# Altium PCB Test_SEAx.PcbDoc (part 1 of 2) (continued)
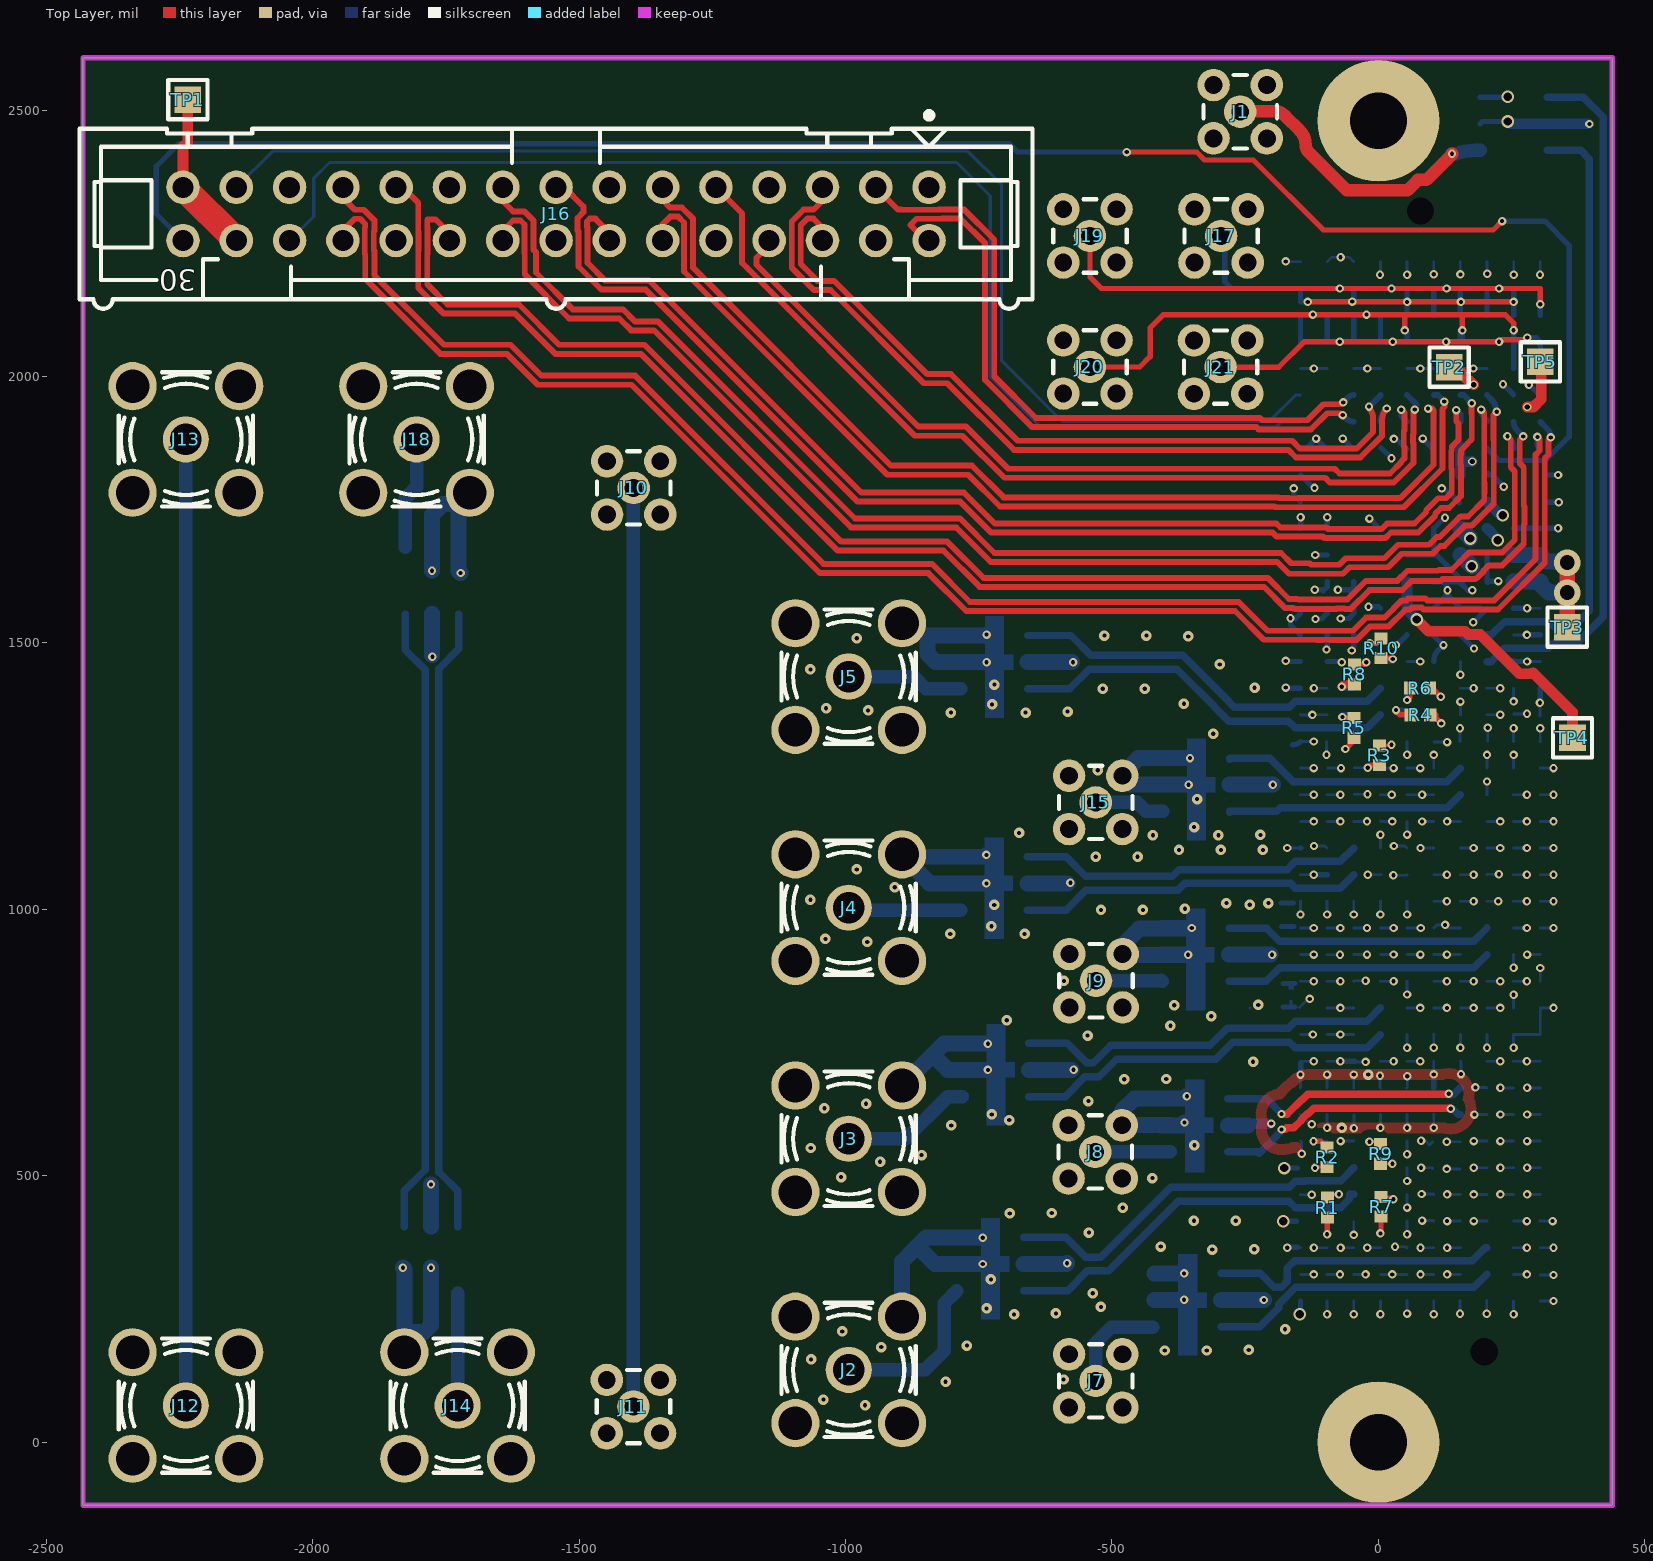
[diagram p0: Top Layer view]
## Design rules (kind name [scope] priority, off if disabled: settings) (continued)
DiffPairsRouting "Schematic Differential Pairs Routing_31" [InNet('NetTR4_5')] p16: maxlimit=12 minlimit=12 mostfreqgap=12 toplayer_minwidth=14 toplayer_maxwidth=14 toplayer_prefwidth=14 bottomlayer_minwidth=14 bottomlayer_maxwidth=14 bottomlayer_prefwidth=14 maxuncoupledlength=500
DiffPairsRouting "Schematic Differential Pairs Routing_30" [InNet('NetTR7_5')] p17: maxlimit=12 minlimit=12 mostfreqgap=12 toplayer_minwidth=14 toplayer_maxwidth=14 toplayer_prefwidth=14 bottomlayer_minwidth=14 bottomlayer_maxwidth=14 bottomlayer_prefwidth=14 maxuncoupledlength=500
DiffPairsRouting "Schematic Differential Pairs Routing_29" [InNet('NetTR8_5')] p18: maxlimit=12 minlimit=12 mostfreqgap=12 toplayer_minwidth=14 toplayer_maxwidth=14 toplayer_prefwidth=14 bottomlayer_minwidth=14 bottomlayer_maxwidth=14 bottomlayer_prefwidth=14 maxuncoupledlength=500
DiffPairsRouting "Schematic Differential Pairs Routing_28" [InNet('NetTR11_5')] p19: maxlimit=12 minlimit=12 mostfreqgap=12 toplayer_minwidth=14 toplayer_maxwidth=14 toplayer_prefwidth=14 bottomlayer_minwidth=14 bottomlayer_maxwidth=14 bottomlayer_prefwidth=14 maxuncoupledlength=500
DiffPairsRouting "Schematic Differential Pairs Routing_27" [InNet('NetTR6_5')] p20: maxlimit=12 minlimit=12 mostfreqgap=12 toplayer_minwidth=14 toplayer_maxwidth=14 toplayer_prefwidth=14 bottomlayer_minwidth=14 bottomlayer_maxwidth=14 bottomlayer_prefwidth=14 maxuncoupledlength=500
DiffPairsRouting "Schematic Differential Pairs Routing_26" [InNet('DAC1_OUT_P')] p21: maxlimit=12 minlimit=12 mostfreqgap=12 toplayer_minwidth=14 toplayer_maxwidth=14 toplayer_prefwidth=14 bottomlayer_minwidth=14 bottomlayer_maxwidth=14 bottomlayer_prefwidth=14 maxuncoupledlength=500
DiffPairsRouting "Schematic Differential Pairs Routing_25" [InNet('DAC0_OUT_P')] p22: maxlimit=12 minlimit=12 mostfreqgap=12 toplayer_minwidth=14 toplayer_maxwidth=14 toplayer_prefwidth=14 bottomlayer_minwidth=14 bottomlayer_maxwidth=14 bottomlayer_prefwidth=14 maxuncoupledlength=500
DiffPairsRouting "Schematic Differential Pairs Routing_24" [InNet('ADC1_IN_N')] p23: maxlimit=12 minlimit=12 mostfreqgap=12 toplayer_minwidth=14 toplayer_maxwidth=14 toplayer_prefwidth=14 bottomlayer_minwidth=14 bottomlayer_maxwidth=14 bottomlayer_prefwidth=14 maxuncoupledlength=500
DiffPairsRouting "Schematic Differential Pairs Routing_23" [InNet('ADC0_IN_P')] p24: maxlimit=12 minlimit=12 mostfreqgap=12 toplayer_minwidth=14 toplayer_maxwidth=14 toplayer_prefwidth=14 bottomlayer_minwidth=14 bottomlayer_maxwidth=14 bottomlayer_prefwidth=14 maxuncoupledlength=500
DiffPairsRouting "Schematic Differential Pairs Routing_22" [InNet('ADC3_IN_P')] p25: maxlimit=12 minlimit=12 mostfreqgap=12 toplayer_minwidth=14 toplayer_maxwidth=14 toplayer_prefwidth=14 bottomlayer_minwidth=14 bottomlayer_maxwidth=14 bottomlayer_prefwidth=14 maxuncoupledlength=500
DiffPairsRouting "Schematic Differential Pairs Routing_21" [InNet('ADC1_IN_P')] p26: maxlimit=12 minlimit=12 mostfreqgap=12 toplayer_minwidth=14 toplayer_maxwidth=14 toplayer_prefwidth=14 bottomlayer_minwidth=14 bottomlayer_maxwidth=14 bottomlayer_prefwidth=14 maxuncoupledlength=500
DiffPairsRouting "Schematic Differential Pairs Routing_20" [InNet('ADC2_IN_P')] p27: maxlimit=12 minlimit=12 mostfreqgap=12 toplayer_minwidth=14 toplayer_maxwidth=14 toplayer_prefwidth=14 bottomlayer_minwidth=14 bottomlayer_maxwidth=14 bottomlayer_prefwidth=14 maxuncoupledlength=500
DiffPairsRouting "Schematic Differential Pairs Routing_18" [InNet('TEST_SMA_N')] p28: maxlimit=12 minlimit=12 mostfreqgap=12 toplayer_minwidth=14 toplayer_maxwidth=14 toplayer_prefwidth=14 bottomlayer_minwidth=14 bottomlayer_maxwidth=14 bottomlayer_prefwidth=14 maxuncoupledlength=500
DiffPairsRouting "Schematic Differential Pairs Routing_17" [InNet('TEST_SMA_P')] p29: maxlimit=12 minlimit=12 mostfreqgap=12 toplayer_minwidth=14 toplayer_maxwidth=14 toplayer_prefwidth=14 bottomlayer_minwidth=14 bottomlayer_maxwidth=14 bottomlayer_prefwidth=14 maxuncoupledlength=500
DiffPairsRouting "Schematic Differential Pairs Routing_16" [InNet('GND')] p30: maxlimit=6 minlimit=6 mostfreqgap=6 toplayer_minwidth=11 toplayer_maxwidth=11 toplayer_prefwidth=11 bottomlayer_minwidth=11 bottomlayer_maxwidth=11 bottomlayer_prefwidth=11 maxuncoupledlength=500
DiffPairsRouting "Schematic Differential Pairs Routing_15" [InNet('LVDS4_N')] p31: maxlimit=6 minlimit=6 mostfreqgap=6 toplayer_minwidth=11 toplayer_maxwidth=11 toplayer_prefwidth=11 bottomlayer_minwidth=11 bottomlayer_maxwidth=11 bottomlayer_prefwidth=11 maxuncoupledlength=500
DiffPairsRouting "Schematic Differential Pairs Routing_14" [InNet('LVDS4_P')] p32: maxlimit=6 minlimit=6 mostfreqgap=6 toplayer_minwidth=11 toplayer_maxwidth=11 toplayer_prefwidth=11 bottomlayer_minwidth=11 bottomlayer_maxwidth=11 bottomlayer_prefwidth=11 maxuncoupledlength=500
DiffPairsRouting "Schematic Differential Pairs Routing_13" [InNet('LVDS3_N')] p33: maxlimit=6 minlimit=6 mostfreqgap=6 toplayer_minwidth=11 toplayer_maxwidth=11 toplayer_prefwidth=11 bottomlayer_minwidth=11 bottomlayer_maxwidth=11 bottomlayer_prefwidth=11 maxuncoupledlength=500
DiffPairsRouting "Schematic Differential Pairs Routing_12" [InNet('LVDS3_P')] p34: maxlimit=6 minlimit=6 mostfreqgap=6 toplayer_minwidth=11 toplayer_maxwidth=11 toplayer_prefwidth=11 bottomlayer_minwidth=11 bottomlayer_maxwidth=11 bottomlayer_prefwidth=11 maxuncoupledlength=500
DiffPairsRouting "Schematic Differential Pairs Routing_11" [InNet('LVDS0_P')] p35: maxlimit=6 minlimit=6 mostfreqgap=6 toplayer_minwidth=11 toplayer_maxwidth=11 toplayer_prefwidth=11 bottomlayer_minwidth=11 bottomlayer_maxwidth=11 bottomlayer_prefwidth=11 maxuncoupledlength=500
DiffPairsRouting "Schematic Differential Pairs Routing_10" [InNet('LVDS2_P')] p36: maxlimit=6 minlimit=6 mostfreqgap=6 toplayer_minwidth=11 toplayer_maxwidth=11 toplayer_prefwidth=11 bottomlayer_minwidth=11 bottomlayer_maxwidth=11 bottomlayer_prefwidth=11 maxuncoupledlength=500
DiffPairsRouting "Schematic Differential Pairs Routing_9" [InNet('LVDS6_N')] p37: maxlimit=6 minlimit=6 mostfreqgap=6 toplayer_minwidth=11 toplayer_maxwidth=11 toplayer_prefwidth=11 bottomlayer_minwidth=11 bottomlayer_maxwidth=11 bottomlayer_prefwidth=11 maxuncoupledlength=500
DiffPairsRouting "Schematic Differential Pairs Routing_8" [InNet('LVDS2_N')] p38: maxlimit=6 minlimit=6 mostfreqgap=6 toplayer_minwidth=11 toplayer_maxwidth=11 toplayer_prefwidth=11 bottomlayer_minwidth=11 bottomlayer_maxwidth=11 bottomlayer_prefwidth=11 maxuncoupledlength=500
DiffPairsRouting "Schematic Differential Pairs Routing_7" [InNet('LVDS1_P')] p39: maxlimit=6 minlimit=6 mostfreqgap=6 toplayer_minwidth=11 toplayer_maxwidth=11 toplayer_prefwidth=11 bottomlayer_minwidth=11 bottomlayer_maxwidth=11 bottomlayer_prefwidth=11 maxuncoupledlength=500
DiffPairsRouting "Schematic Differential Pairs Routing_6" [InNet('LVDS7_P')] p40: maxlimit=6 minlimit=6 mostfreqgap=6 toplayer_minwidth=11 toplayer_maxwidth=11 toplayer_prefwidth=11 bottomlayer_minwidth=11 bottomlayer_maxwidth=11 bottomlayer_prefwidth=11 maxuncoupledlength=500
DiffPairsRouting "Schematic Differential Pairs Routing_5" [InNet('LVDS5_P')] p41: maxlimit=6 minlimit=6 mostfreqgap=6 toplayer_minwidth=11 toplayer_maxwidth=11 toplayer_prefwidth=11 bottomlayer_minwidth=11 bottomlayer_maxwidth=11 bottomlayer_prefwidth=11 maxuncoupledlength=500
DiffPairsRouting "Schematic Differential Pairs Routing_4" [InNet('LVDS1_N')] p42: maxlimit=6 minlimit=6 mostfreqgap=6 toplayer_minwidth=11 toplayer_maxwidth=11 toplayer_prefwidth=11 bottomlayer_minwidth=11 bottomlayer_maxwidth=11 bottomlayer_prefwidth=11 maxuncoupledlength=500
DiffPairsRouting "Schematic Differential Pairs Routing_3" [InNet('LVDS6_P')] p43: maxlimit=6 minlimit=6 mostfreqgap=6 toplayer_minwidth=11 toplayer_maxwidth=11 toplayer_prefwidth=11 bottomlayer_minwidth=11 bottomlayer_maxwidth=11 bottomlayer_prefwidth=11 maxuncoupledlength=500
DiffPairsRouting "Schematic Differential Pairs Routing_2" [InNet('LVDS5_N')] p44: maxlimit=6 minlimit=6 mostfreqgap=6 toplayer_minwidth=11 toplayer_maxwidth=11 toplayer_prefwidth=11 bottomlayer_minwidth=11 bottomlayer_maxwidth=11 bottomlayer_prefwidth=11 maxuncoupledlength=500
DiffPairsRouting "Schematic Differential Pairs Routing_1" [InNet('LVDS7_N')] p45: maxlimit=6 minlimit=6 mostfreqgap=6 toplayer_minwidth=11 toplayer_maxwidth=11 toplayer_prefwidth=11 bottomlayer_minwidth=11 bottomlayer_maxwidth=11 bottomlayer_prefwidth=11 maxuncoupledlength=500
DiffPairsRouting "Schematic Differential Pairs Routing" [InNet('LVDS0_N')] p46: maxlimit=6 minlimit=6 mostfreqgap=6 toplayer_minwidth=11 toplayer_maxwidth=11 toplayer_prefwidth=11 bottomlayer_minwidth=11 bottomlayer_maxwidth=11 bottomlayer_prefwidth=11 maxuncoupledlength=500
FabricationTestPointUsage TestPointUsage [All] p1: valid=0 allowmultiple=FALSE
FabricationTestpoint Testpoint [(IsPad And (OnTopLayer Or OnBottomLayer))] p1: side=3 testpointundercomponent=TRUE minsize=40 maxsize=100 preferedsize=60 minholesize=0 maxholesize=40 preferedholesize=32 testpointgrid=1 allowsidetop=TRUE allowsidebottom=TRUE usegrid=TRUE gridtolerance=0.01
Height Height_Top [OnTop] p1 off: minheight=0 maxheight=500 prefheight=350
Height Height_Bot [OnBottom] p2 off: minheight=0 maxheight=65 prefheight=52
HoleSize [All] p1: absolutevalues=TRUE maxlimit=1000 minlimit=1 maxpercent=80.000 minpercent=20.000
HoleToHoleClearance [All] p1: gap=5 allowstackedmicrovias=TRUE
Length [InNetClass('ADC0_D') or InNetClass('ADC1_D') or InNetClass('ADC1_D') or InNetClass('ADC3_D')] p1 off: maxlimit=688.98 minlimit=531.5
MatchedLengths [InNetClass('ADC0_D') or InNetClass('ADC1_D') or InNetClass('ADC1_D') or InNetClass('ADC3_D')] p1 off: tolerance=39.37 checknetsindiffpair=TRUE checkdiffpairvsdiffpair=FALSE checkxsignals=FALSE checkothers=FALSE
MaxMinImpedance "Schematic Impedance Constraint_7" [InNetClass('Z50R')] p1: minimum=49.00 maximum=51.00
MinimumSolderMaskSliver [All] p1 off: minsoldermaskwidth=1
PlaneClearance [All] p1: clearance=8
PlaneConnect Vias_Plane [IsVia] p1: planeconnectstyle=Direct reliefexpansion=20 reliefentries=4 reliefconductorwidth=10 reliefairgap=10
PlaneConnect PlaneConnect_LEMO [(InComponent('J1') OR  InComponent('J2') OR  InComponent('J3') OR  InComponent('J4') OR  InComponent('J5') )] p2: planeconnectstyle=Relief reliefexpansion=20 reliefentries=4 reliefconductorwidth=9.84 reliefairgap=10
PlaneConnect PlaneConnect_1 [All] p3: planeconnectstyle=Relief reliefexpansion=5 reliefentries=4 reliefconductorwidth=6 reliefairgap=8
PolygonConnect [All] p1: thpad.connectstyle=Relief thpad.reliefconductorwidth=6 thpad.reliefentries=4 thpad.polygonreliefangle="90 Angle" thpad.airgapwidth=6 smdpad.connectstyle=Relief smdpad.reliefconductorwidth=6 smdpad.reliefentries=4 smdpad.polygonreliefangle="90 Angle" smdpad.airgapwidth=6 via.connectstyle=Direct via.reliefconductorwidth=10 via.reliefentries=4 via.polygonreliefangle="90 Angle" via.airgapwidth=10
RoomDefinition Test_SEAx [InComponentClass('Test_SEAx')] p1: confinementstyle=ConfineIn formatcopy=TRUE lockcomponents=FALSE outline -6167.32,-2787.4 -4167.32,-2787.4 -4167.32,-1787.4 -6167.32,-1787.4
RoomDefinition U_FMC_connector [InComponentClass('U_FMC_connector')] p2 off: confinementstyle=ConfineIn formatcopy=TRUE lockcomponents=FALSE outline -1172.32,1787.6 -522.32,1787.6 -522.32,2522.6 -1172.32,2522.6
RoutingVias RoutingVias_pwr [InNetClass('HPWR')] p1: holewidth=31.5 width=50 viastyle="Through Hole" minholewidth=10 minwidth=15 maxholewidth=39.37 maxwidth=78.74
RoutingVias RoutingVias_GND [InNet('GND')] p2: holewidth=31.5 width=50 viastyle="Through Hole" minholewidth=7.87 minwidth=15.75 maxholewidth=39.37 maxwidth=78.74
RoutingVias [All] p3: holewidth=7.87 width=15.75 viastyle="Through Hole" minholewidth=7.87 minwidth=15.75 maxholewidth=39.37 maxwidth=78.74
SilkToSilkClearance [All] p1 off: silktosilkclearance=1
SilkToSolderMaskClearance SilkscreenOverComponentPads [IsPad] p1 off: minsilkscreentomaskgap=2 clearancetoexposedcopper=TRUE
SolderMaskExpansion [All] p1: expansion=0
ViasUnderSMD ViasUnderSMD_allow [InComponent('IC1A')   or InComponent('IC1B') or InComponent('IC1C') or InComponent('IC1D') or InComponent('IC16') or InComponent('IC17') or InComponent('IC24') or InComponent('IC12') or InComponent('IC2') or  InComponent('IC6')   or InComponent('IC5') or InComponent('IC1C') or InComponent('IC7')  or InComponent('IC8')  or InComponent('IC9')  or InComponent('IC12')    or InComponent('IC10')   or InComponent('IC13')   or InComponent('IC11')   or InComponent('IC4')   or InComponent('IC25')   or InComponent('IC15')    or InComponent('IC18')] p1: allowed=TRUE
ViasUnderSMD [All] p2: allowed=FALSE
Width "Schematic Width Constraint" [InNetClass('HPWR')] p1: maxlimit=100 minlimit=20 preferedwidth=30
Width Width_50R [InNetClass('Z50R')] p2: maxlimit=26.18 minlimit=22.86 preferedwidth=25.44 toplayer_maxwidth=24.31 toplayer_prefwidth=23.58 bottomlayer_minwidth=24.71 impedancedriven=TRUE minimp=49.000000 maximp=51.000000 favimp=50.000000
Width [All] p3: maxlimit=100 minlimit=5 preferedwidth=6
18 further rules are at their usual default settings.

## Classes and differential pairs
net class HPWR: N6V0A N12V0A P3V3 P6V0A P12V0A
component class Test_SEAx: C19 C20 C21 C22 J1 J2 J3 J4 J5 J7 J8 J9 J10 J11 J12 J13 J14 J15 J16 J17 J18 J19 J20 J21 TP1 TP2 TP3 TP4 TP5 TR9 TR10
net class Z50R: ADC0 ADC1 ADC2 ADC3 DAC0 DAC1 DAC2 DAC3 NetJ1_1 NetJ10_1 NetJ12_1 NetJ14_1 NetJ18_1
component class U_FMC_connector: B1 B4 C1 C2 C3 C4 C5 C6 C7 C8 C9 C10 C11 C12 C13 C14 C15 C16 C17 C18 J6 R1 R2 R3 R4 R5 R6 R7 R8 R9 R10 TR1 TR2 TR3 TR4 TR5 TR6 TR7 TR8 TR11
differential pair TEST_SMA: +TEST_SMA_P -TEST_SMA_N
differential pair LVDS7: +LVDS7_P -LVDS7_N
differential pair LVDS6: +LVDS6_P -LVDS6_N
differential pair LVDS5: +LVDS5_P -LVDS5_N
differential pair LVDS4: +LVDS4_P -LVDS4_N
differential pair LVDS3: +LVDS3_P -LVDS3_N
differential pair LVDS2: +LVDS2_P -LVDS2_N
differential pair LVDS1: +LVDS1_P -LVDS1_N
differential pair LVDS0: +LVDS0_P -LVDS0_N
differential pair DAC3_OUT: +DAC3_OUT_P -DAC3_OUT_N
differential pair ADC3_IN: +ADC3_IN_P -ADC3_IN_N
differential pair DAC0_OUT: +DAC0_OUT_P -DAC0_OUT_N
differential pair ADC0_IN: +ADC0_IN_P -ADC0_IN_N
differential pair LO_IN: +LO_IN_P -LO_IN_N
differential pair DAC3_OUT: +DAC2_OUT_P -DAC2_OUT_N
differential pair DAC2_OUT: +DAC1_OUT_P -DAC1_OUT_N
differential pair ADC3_IN: +ADC2_IN_P -ADC2_IN_N
differential pair ADC2_IN: +ADC1_IN_P -ADC1_IN_N

## Components (designator, comment, footprint, x,y, rotation, side; value= is the part's Value field where it differs from the comment)
B1 "Plated Hole" MTG300_600 0,0 r0 bottom
B4 "Plated Hole" MTG300_600 0,2480.31 r0 bottom
C1 "0.5pF" CAPC1005X50N -237,302 r270 bottom
C2 "0.5pF" CAPC1005X50N -237,233.64 r90 bottom
C3 "0.5pF" CAPC1005X50N -225.03,629.82 r270 bottom
C4 "0.5pF" CAPC1005X50N -225,561.82 r90 bottom
C5 "0.5pF" CAPC1005X50N -225,948.97 r270 bottom
C6 "0.5pF" CAPC1005X50N -225,880.97 r90 bottom
C7 "0.5pF" CAPC1005X50N -223,1268 r270 bottom
C8 "0.5pF" CAPC1005X50N -223,1200 r90 bottom
C9 "0.5pF" CAPC1005X50N -608,370 r270 bottom
C10 "0.5pF" CAPC1005X50N -608,302 r90 bottom
C11 "0.5pF" CAPC1005X50N -598,733 r270 bottom
C12 "0.5pF" CAPC1005X50N -598,664 r90 bottom
C13 "0.5pF" CAPC1005X50N -601,1083 r270 bottom
C14 "0.5pF" CAPC1005X50N -601,1014 r90 bottom
C15 "0.5pF" CAPC1005X50N -600.39,1499 r270 bottom
C16 "0.5pF" CAPC1005X50N -600.39,1431 r90 bottom
C17 "0.5pF" CAPC1005X50N 374,2509 r270 bottom
C18 "0.5pF" CAPC1005X50N 374,2440 r90 bottom
C19 "0.5pF" CAPC1005X50N -1810,1497 r0 bottom
C20 "0.5pF" CAPC1005X50N -1742,1497 r180 bottom
C21 "0.5pF" CAPC1005X50N -1744,462 r180 bottom
C22 "0.5pF" CAPC1005X50N -1812,462 r0 bottom
J1 "Coax_1Female_1Shield" SAMTEC_MMCX-J-P-H-ST-TH1 -259.4,2497 r0 top
J2 "SMA" TYCO_5-1814832-1 -994.09,135.9 r0 top
J3 "SMA" TYCO_5-1814832-1 -994.09,569.6 r0 top
J4 "SMA" TYCO_5-1814832-1 -994.09,1003.3 r0 top
J5 "SMA" TYCO_5-1814832-1 -994.09,1437.01 r0 top
J6 "VITA 57" SAMTEC_ASP-134486-01 78.74,1240.16 r270 bottom locked
J7 "Coax_1Female_1Shield" SAMTEC_MMCX-J-P-H-ST-TH1 -530.56,115.16 r0 top
J8 "Coax_1Female_1Shield" SAMTEC_MMCX-J-P-H-ST-TH1 -531.49,545 r0 top
J9 "Coax_1Female_1Shield" SAMTEC_MMCX-J-P-H-ST-TH1 -530,866.14 r180 top
J10 "Coax_1Female_1Shield" SAMTEC_MMCX-J-P-H-ST-TH1 -1397.64,1791 r0 top
J11 "Coax_1Female_1Shield" SAMTEC_MMCX-J-P-H-ST-TH1 -1398,67 r0 top
J12 "SMA" TYCO_5-1814832-1 -2238,69 r90 top
J13 "SMA" TYCO_5-1814832-1 -2238,1882 r90 top
J14 "SMA" TYCO_5-1814832-1 -1728,69 r90 top
J15 "Coax_1Female_1Shield" SAMTEC_MMCX-J-P-H-ST-TH1 -530.56,1200.79 r0 top
J16 "=Familly" 3M_N2530-6002RB -1543.31,2305.12 r180 top
J17 "Coax_1Female_1Shield" SAMTEC_MMCX-J-P-H-ST-TH1 -295.28,2263.78 r0 top
J18 "SMA" TYCO_5-1814832-1 -1805,1882 r90 top
J19 "Coax_1Female_1Shield" SAMTEC_MMCX-J-P-H-ST-TH1 -541.34,2263.78 r0 top
J20 "Coax_1Female_1Shield" SAMTEC_MMCX-J-P-H-ST-TH1 -541.34,2018 r0 top
J21 "Coax_1Female_1Shield" SAMTEC_MMCX-J-P-H-ST-TH1 -296.23,2017.72 r0 top
R1 "49R9" RESC1005X40N -96,440.56 r90 top
R2 "49R9" RESC1005X40N -96.26,535 r270 top
R3 "49R9" RESC1005X40N 1.97,1289.37 r90 top
R4 "49R9" RESC1005X40N 78.74,1365.16 r180 top
R5 "49R9" RESC1005X40N -46.26,1340.55 r90 top
R6 "49R9" RESC1005X40N 77.76,1415.35 r180 top
R7 "49R9" RESC1005X40N 4.92,441.93 r90 top
R8 "49R9" RESC1005X40N -45.28,1440.94 r270 top
R9 "49R9" RESC1005X40N 3.94,541.34 r270 top
R10 "49R9" RESC1005X40N 4.92,1490.16 r270 top
TP1 "Test Point" TPS127 -2234.25,2519.69 r0 top
TP2 "Test Point" TPS127 132.61,2017.72 r90 top
TP3 "Test Point" TPS127 354.33,1529.58 r90 top
TP4 "Test Point" TPS127 364.17,1322.05 r0 top
TP5 "Test Point" TPS127 303.74,2027.56 r90 top
TR1 "1:2" XFMR_MINI-CIRCUITS_DB1627 -358,267 r270 bottom
TR2 "1:2" XFMR_MINI-CIRCUITS_DB1627 -345,594.82 r270 bottom
TR3 "1:2" XFMR_MINI-CIRCUITS_DB1627 -342.87,914.97 r270 bottom
TR4 "1:2" XFMR_MINI-CIRCUITS_DB1627 -341.87,1234 r270 bottom
TR5 "1:2" XFMR_MINI-CIRCUITS_DB1627 -728.35,334.65 r270 bottom
TR6 "1:2" XFMR_MINI-CIRCUITS_DB1627 -718.5,698.82 r270 bottom
TR7 "1:2" XFMR_MINI-CIRCUITS_DB1627 -721.38,1048.84 r270 bottom
TR8 "1:2" XFMR_MINI-CIRCUITS_DB1627 -721,1464 r270 bottom
TR9 "1:2" XFMR_MINI-CIRCUITS_DB1627 -1778,342 r0 bottom
TR10 "1:2" XFMR_MINI-CIRCUITS_DB1627 -1776,1617 r180 bottom
TR11 "1:2" XFMR_MINI-CIRCUITS_DB1627 253.74,2474.41 r270 bottom

## Footprints (in the part's own frame and the unit in brackets; to place one, negate y for a bottom-side part, rotate by r counter-clockwise, add the part's x,y. Pads: shape width x height; smd on the part's side, far side on the other; paste and mask are expansions set on the pad)
3M_N2530-6002RB [mm] "30 Contacts - Straight .100\" x .100\" Low Profile Four-Wall Header"
  round 1.6 hole 1: 1(-17.78,-1.27) 2(-17.78,1.27) 3(-15.24,-1.27) 4(-15.24,1.27) 5(-12.7,-1.27) 6(-12.7,1.27) 7(-10.16,-1.27) 8(-10.16,1.27) 9(-7.62,-1.27) 10(-7.62,1.27) 11(-5.08,-1.27) 12(-5.08,1.27) 13(-2.54,-1.27) 14(-2.54,1.27) 15(0,-1.27) 16(0,1.27) 17(2.54,-1.27) 18(2.54,1.27) 19(5.08,-1.27) 20(5.08,1.27) 21(7.62,-1.27) 22(7.62,1.27) 23(10.16,-1.27) 24(10.16,1.27) 25(12.7,-1.27) 26(12.7,1.27) 27(15.24,-1.27) 28(15.24,1.27) 29(17.78,-1.27) 30(17.78,1.27)
  silkscreen extent -22.71,-4.85 22.71,4.52, body extent -22.71,-4.11 22.71,4.52, height 9.91
CAPC1005X50N [mm] "Chip Capacitor, Body 1.0x0.55mm, IPC Medium Density"
  rect 0.57x0.68 smd: 1(-0.49,0) 2(0.49,0)
  body extent -0.5,-0.27 0.5,0.28, height 0.5
MTG300_600 [mm] "Plated Through Hole: Hole Dia.=3.0mm Pad Dia.=6.0mm"
  round 5.8 / inner round 3 / far side round 5.8 hole 2.7: 1(0,0)
RESC1005X40N [mm] "Chip Resistor, EIA 0402, Metric 1005, Body 1.0x0.5mm, IPC Medium Density"
  rect 0.58x0.62 smd: 1(-0.47,0) 2(0.47,0)
  body extent -0.52,-0.27 0.53,0.28, height 0.4
SAMTEC_ASP-134486-01 [mm] "Connector VITA 57, 400 Female contacts in 10 row abcdefghj"
  round 0.5 hole 1.3 unplated mask+0.4: 1(-27.19,0) 2(27.19,-3.05)
  round 0.64 smd paste+0.125: a1(24.765,-5.715) a2(23.495,-5.715) a3(22.225,-5.715) a4(20.955,-5.715) a5(19.685,-5.715) a6(18.415,-5.715) a7(17.145,-5.715) a8(15.875,-5.715) a9(14.605,-5.715) a10(13.335,-5.715) a11(12.065,-5.715) a12(10.795,-5.715) a13(9.525,-5.715) a14(8.255,-5.715) a15(6.985,-5.715) a16(5.715,-5.715) a17(4.445,-5.715) a18(3.175,-5.715) a19(1.905,-5.715) a20(0.635,-5.715) a21(-0.635,-5.715) a22(-1.905,-5.715) a23(-3.175,-5.715) a24(-4.445,-5.715) a25(-5.715,-5.715) a26(-6.985,-5.715) a27(-8.255,-5.715) a28(-9.525,-5.715) a29(-10.795,-5.715) a30(-12.065,-5.715) a31(-13.335,-5.715) a32(-14.605,-5.715) a33(-15.875,-5.715) a34(-17.145,-5.715) a35(-18.415,-5.715) a36(-19.685,-5.715) a37(-20.955,-5.715) a38(-22.225,-5.715) a39(-23.495,-5.715) a40(-24.765,-5.715) b1(24.765,-4.445) b2(23.495,-4.445) b3(22.225,-4.445) b4(20.955,-4.445) b5(19.685,-4.445) b6(18.415,-4.445) b7(17.145,-4.445) b8(15.875,-4.445) b9(14.605,-4.445) b10(13.335,-4.445) b11(12.065,-4.445) b12(10.795,-4.445) b13(9.525,-4.445) b14(8.255,-4.445) b15(6.985,-4.445) b16(5.715,-4.445) b17(4.445,-4.445) b18(3.175,-4.445) b19(1.905,-4.445) b20(0.635,-4.445) b21(-0.635,-4.445) b22(-1.905,-4.445) b23(-3.175,-4.445) b24(-4.445,-4.445) b25(-5.715,-4.445) b26(-6.985,-4.445) b27(-8.255,-4.445) b28(-9.525,-4.445) b29(-10.795,-4.445) b30(-12.065,-4.445) b31(-13.335,-4.445) b32(-14.605,-4.445) b33(-15.875,-4.445) b34(-17.145,-4.445) b35(-18.415,-4.445) b36(-19.685,-4.445) b37(-20.955,-4.445) b38(-22.225,-4.445) b39(-23.495,-4.445) b40(-24.765,-4.445) c1(24.765,-3.175) c2(23.495,-3.175) c3(22.225,-3.175) c4(20.955,-3.175) c5(19.685,-3.175) c6(18.415,-3.175) c7(17.145,-3.175) c8(15.875,-3.175) c9(14.605,-3.175) c10(13.335,-3.175) c11(12.065,-3.175) c12(10.795,-3.175) c13(9.525,-3.175) c14(8.255,-3.175) c15(6.985,-3.175) c16(5.715,-3.175) c17(4.445,-3.175) c18(3.175,-3.175) c19(1.905,-3.175) c20(0.635,-3.175) c21(-0.635,-3.175) c22(-1.905,-3.175) c23(-3.175,-3.175) c24(-4.445,-3.175) c25(-5.715,-3.175) c26(-6.985,-3.175) c27(-8.255,-3.175) c28(-9.525,-3.175) c29(-10.795,-3.175) c30(-12.065,-3.175) c31(-13.335,-3.175) c32(-14.605,-3.175) c33(-15.875,-3.175) c34(-17.145,-3.175) c35(-18.415,-3.175) c36(-19.685,-3.175) c37(-20.955,-3.175) c38(-22.225,-3.175) c39(-23.495,-3.175) c40(-24.765,-3.175) d1(24.765,-1.905) d2(23.495,-1.905) d3(22.225,-1.905) d4(20.955,-1.905) d5(19.685,-1.905) d6(18.415,-1.905) d7(17.145,-1.905) d8(15.875,-1.905) d9(14.605,-1.905) d10(13.335,-1.905) d11(12.065,-1.905) d12(10.795,-1.905) d13(9.525,-1.905) d14(8.255,-1.905) d15(6.985,-1.905) d16(5.715,-1.905) d17(4.445,-1.905) d18(3.175,-1.905) d19(1.905,-1.905) d20(0.635,-1.905) d21(-0.635,-1.905) d22(-1.905,-1.905) d23(-3.175,-1.905) d24(-4.445,-1.905) d25(-5.715,-1.905) d26(-6.985,-1.905) d27(-8.255,-1.905) d28(-9.525,-1.905) d29(-10.795,-1.905) d30(-12.065,-1.905) d31(-13.335,-1.905) d32(-14.605,-1.905) d33(-15.875,-1.905) d34(-17.145,-1.905) d35(-18.415,-1.905) d36(-19.685,-1.905) d37(-20.955,-1.905) d38(-22.225,-1.905) d39(-23.495,-1.905) d40(-24.765,-1.905) e1(24.765,-0.635) e2(23.495,-0.635) e3(22.225,-0.635) e4(20.955,-0.635) e5(19.685,-0.635) e6(18.415,-0.635) e7(17.145,-0.635) e8(15.875,-0.635) e9(14.605,-0.635) e10(13.335,-0.635) e11(12.065,-0.635) e12(10.795,-0.635) e13(9.525,-0.635) e14(8.255,-0.635) e15(6.985,-0.635) e16(5.715,-0.635) e17(4.445,-0.635) e18(3.175,-0.635) e19(1.905,-0.635) e20(0.635,-0.635) e21(-0.635,-0.635) e22(-1.905,-0.635) e23(-3.175,-0.635) e24(-4.445,-0.635) e25(-5.715,-0.635) e26(-6.985,-0.635) e27(-8.255,-0.635) e28(-9.525,-0.635) e29(-10.795,-0.635) e30(-12.065,-0.635) e31(-13.335,-0.635) e32(-14.605,-0.635) e33(-15.875,-0.635) e34(-17.145,-0.635) e35(-18.415,-0.635) e36(-19.685,-0.635) e37(-20.955,-0.635) e38(-22.225,-0.635) e39(-23.495,-0.635) e40(-24.765,-0.635) f1(24.765,0.635) f2(23.495,0.635) f3(22.225,0.635) f4(20.955,0.635) f5(19.685,0.635) f6(18.415,0.635) f7(17.145,0.635) f8(15.875,0.635) f9(14.605,0.635) f10(13.335,0.635) f11(12.065,0.635) f12(10.795,0.635) f13(9.525,0.635) f14(8.255,0.635) f15(6.985,0.635) f16(5.715,0.635) f17(4.445,0.635) f18(3.175,0.635) f19(1.905,0.635) f20(0.635,0.635) f21(-0.635,0.635) f22(-1.905,0.635) f23(-3.175,0.635) f24(-4.445,0.635) f25(-5.715,0.635) f26(-6.985,0.635) f27(-8.255,0.635) f28(-9.525,0.635) f29(-10.795,0.635) f30(-12.065,0.635) f31(-13.335,0.635) f32(-14.605,0.635) f33(-15.875,0.635) f34(-17.145,0.635) f35(-18.415,0.635) f36(-19.685,0.635) f37(-20.955,0.635) f38(-22.225,0.635) f39(-23.495,0.635) f40(-24.765,0.635) g1(24.765,1.905) g2(23.495,1.905) g3(22.225,1.905) g4(20.955,1.905) g5(19.685,1.905) g6(18.415,1.905) g7(17.145,1.905) g8(15.875,1.905) g9(14.605,1.905) g10(13.335,1.905) g11(12.065,1.905) g12(10.795,1.905) g13(9.525,1.905) g14(8.255,1.905) g15(6.985,1.905) g16(5.715,1.905) g17(4.445,1.905) g18(3.175,1.905) g19(1.905,1.905) g20(0.635,1.905) g21(-0.635,1.905) g22(-1.905,1.905) g23(-3.175,1.905) g24(-4.445,1.905) g25(-5.715,1.905) g26(-6.985,1.905) g27(-8.255,1.905) g28(-9.525,1.905) g29(-10.795,1.905) g30(-12.065,1.905) g31(-13.335,1.905) g32(-14.605,1.905) g33(-15.875,1.905) g34(-17.145,1.905) g35(-18.415,1.905) g36(-19.685,1.905) g37(-20.955,1.905) g38(-22.225,1.905) g39(-23.495,1.905) g40(-24.765,1.905) h1(24.765,3.175) h2(23.495,3.175) h3(22.225,3.175) h4(20.955,3.175) h5(19.685,3.175) h6(18.415,3.175) h7(17.145,3.175) h8(15.875,3.175) h9(14.605,3.175) h10(13.335,3.175) h11(12.065,3.175) h12(10.795,3.175) h13(9.525,3.175) h14(8.255,3.175) h15(6.985,3.175) h16(5.715,3.175) h17(4.445,3.175) h18(3.175,3.175) h19(1.905,3.175) h20(0.635,3.175) h21(-0.635,3.175) h22(-1.905,3.175) h23(-3.175,3.175) h24(-4.445,3.175) h25(-5.715,3.175) h26(-6.985,3.175) h27(-8.255,3.175) h28(-9.525,3.175) h29(-10.795,3.175) h30(-12.065,3.175) h31(-13.335,3.175) h32(-14.605,3.175) h33(-15.875,3.175) h34(-17.145,3.175) h35(-18.415,3.175) h36(-19.685,3.175) h37(-20.955,3.175) h38(-22.225,3.175) h39(-23.495,3.175) h40(-24.765,3.175) j1(24.765,4.445) j2(23.495,4.445) j3(22.225,4.445) j4(20.955,4.445) j5(19.685,4.445) j6(18.415,4.445) j7(17.145,4.445) j8(15.875,4.445) j9(14.605,4.445) j10(13.335,4.445) j11(12.065,4.445) j12(10.795,4.445) j13(9.525,4.445) j14(8.255,4.445) j15(6.985,4.445) j16(5.715,4.445) j17(4.445,4.445) j18(3.175,4.445) j19(1.905,4.445) j20(0.635,4.445) j21(-0.635,4.445) j22(-1.905,4.445) j23(-3.175,4.445) j24(-4.445,4.445) j25(-5.715,4.445) j26(-6.985,4.445) j27(-8.255,4.445) j28(-9.525,4.445) j29(-10.795,4.445) j30(-12.065,4.445) j31(-13.335,4.445) j32(-14.605,4.445) j33(-15.875,4.445) j34(-17.145,4.445) j35(-18.415,4.445) j36(-19.685,4.445) j37(-20.955,4.445) j38(-22.225,4.445) j39(-23.495,4.445) j40(-24.765,4.445) k1(24.765,5.715) k2(23.495,5.715) k3(22.225,5.715) k4(20.955,5.715) k5(19.685,5.715) k6(18.415,5.715) k7(17.145,5.715) k8(15.875,5.715) k9(14.605,5.715) k10(13.335,5.715) k11(12.065,5.715) k12(10.795,5.715) k13(9.525,5.715) k14(8.255,5.715) k15(6.985,5.715) k16(5.715,5.715) k17(4.445,5.715) k18(3.175,5.715) k19(1.905,5.715) k20(0.635,5.715) k21(-0.635,5.715) k22(-1.905,5.715) k23(-3.175,5.715) k24(-4.445,5.715) k25(-5.715,5.715) k26(-6.985,5.715) k27(-8.255,5.715) k28(-9.525,5.715) k29(-10.795,5.715) k30(-12.065,5.715) k31(-13.335,5.715) k32(-14.605,5.715) k33(-15.875,5.715) k34(-17.145,5.715) k35(-18.415,5.715) k36(-19.685,5.715) k37(-20.955,5.715) k38(-22.225,5.715) k39(-23.495,5.715) k40(-24.765,5.715)
  silkscreen extent -28.73,-6.62 28.73,6.62, body extent -28.73,-6.62 28.73,6.62, height 6.55
SAMTEC_MMCX-J-P-H-ST-TH1 [mm] "Straight Through-hole 50 Ohm Micro Mini RF Jack, MMCX Serie"
  round 1.55 hole 0.85: 1(0,0) 2(-1.27,-1.27) 2(-1.27,1.27) 2(1.27,-1.27) 2(1.27,1.27)
  silkscreen extent -1.75,-1.75 1.75,1.75, body extent -1.75,-1.75 1.75,1.75, height 4.35
TPS127 [mil] "1.27 x  1.27mm SMD Test Point Area"
  rect 50x50 smd paste-50: 1(0,0)
  silkscreen extent -37,-37 37,37
TYCO_5-1814832-1 [mm] "50 Ohm SMA Straight PCB Die Socket"
  round 2.2 hole 1.5: 1(0,0)
  round 2.3 hole 1.6: 2(-2.54,-2.54) 2(-2.54,2.54) 2(2.54,-2.54) 2(2.54,2.54)
  silkscreen extent -3.2,-3.2 3.2,3.2, body extent -3.2,-3.2 3.2,3.2, height 9.5
XFMR_MINI-CIRCUITS_DB1627 [mm] "MINI-CIRCUITS RF Transformer, Case DB1627 - Body 4.06X3.81mm"
  rect 0.76x1.65 smd: 1(-1.27,1.59) 2(0,1.59) 3(1.27,1.59) 4(1.27,-1.59) 5(0,-1.59) 6(-1.27,-1.59)
  silkscreen extent -2.3,-0.37 1.91,1.72, body extent -1.9,-2.03 1.91,2.03, height 4.06

## Part data
B1 B4: library part PLATED_HOLE3.0_PAD6.0, "Single Terminal Socket", Author="CERN DEM JLC", ComponentHeight=0mm, Component Type="Standard (No BOM)", CreateDate=26.05.2008, Family="Plated Hole", LatestRevisionDate=26.05.2008, Mounted=No, PackageDescription="Plated Through Hole: Hole Dia.=3.0mm Pad Dia.=6.0mm", Part Description="Plated Through Hole: Hole Dia.=3.0mm Pad Dia.=6.0mm", Part Number=PLATED_HOLE3.0_PAD6.0, Pin Count=1, SMD=No, Socket=No, Status=None, Table=Pads
C1 C2 C3 C4 C5 C6 C7 C8 C9 C10 C11 C12 C13 C14 C15 C16 C17 C18 C19 C20 C21 C22: library part CC0402_0.5PF_25V_0.05PF_AVX_04023J0R5ABSTR, "Non-polarised capacitor", Case=0402, Manufacturer=AVX, Manufacturer Part Number=04023J0R5ABSTR, Tolerance=±0.05pF, Voltage=25V, Author="CERN DEM JLC", ComponentHeight=0.5mm, Component Type=Standard, CreateDate=22.02.2017, HelpURL=\\cern.ch\dfs\Applications\Altium\Datasheets\CC0402_AVX_ACCU-P.pdf, LatestRevisionDate=22.02.2017, Mounted=Yes, Part Description="Thin-Film Chip Capacitors for RF Signal and Power Applications, Accu-P Series", Part Number=CC0402_0.5PF_25V_0.05PF_AVX_04023J0R5ABSTR, Pin Count=2, Sense=No, SMD=Yes, Socket=No, Status=None
J1 J7 J8 J9 J10 J11 J15 J17 J19 J20 J21: library part SAMTEC_MMCX-J-P-H-ST-TH1, Manufacturer=SAMTEC, Manufacturer Part Number=MMCX-J-P-H-ST-TH1, Author="CERN DEM JLC", ComponentHeight=4.35mm, Component Type=Standard, CreateDate=05.12.2012, HelpURL=\\cern.ch\dfs\Applications\Altium\Datasheets\SAMTEC_MMCX-J-P-H-ST-TH1.pdf, LatestRevisionDate=05.12.2012, Mounted=Yes, Part Description="Straight Through-hole 50 Ohm Micro Mini RF Jack, MMCX Series", Part Number=SAMTEC_MMCX-J-P-H-ST-TH1, Pin Count=2, PressFit=No, Sense=No, SMD=No, Socket=No, Status=None
J2 J3 J4 J5 J12 J13 J14 J18: library part TYCO_5-1814832-1, Manufacturer="TYCO ELECTRONICS", Manufacturer Part Number=5-1814832-1, Author="CERN DEM JLC", ComponentHeight=13.5mm, Component Type=Standard, CreateDate=17.11.2009, Family=SMA, HelpURL=\\cern.ch\dfs\Applications\Altium\Datasheets\TYCO_5-1814832-1.pdf, LatestRevisionDate=17.11.2009, Mounted=Yes, Part Description="50 Ohms SMA Straight PCB Die Socket", Part Number=TYCO_5-1814832-1, Pin Count=2, PressFit=No, Sense=No, SMD=No, Socket=No, Status=None
J6: library part SAMTEC_ASP-134486-01, "Connector VITA 57, 400 Female contacts in 10 row abcdefghj", Manufacturer=SAMTEC, Manufacturer Part Number=ASP-134486-01, Author="CERN DEM JLC", ComponentHeight=6.55mm, Component Type=Standard, CreateDate=30.04.2009, Family="VITA 57", HelpURL=\\cern.ch\dfs\Applications\Altium\Datasheets\SAMTEC_ASP-134486-01.pdf, LatestRevisionDate=17.08.2009, Mounted=Yes, Part Description="400 contacts (10 rows abcdefghj) Surface Mount Female Connector, VITA 57 (CC-HPC-10)", Part Number=SAMTEC_ASP-134486-01, Pin Count=400, PressFit=No, Sense=No, SMD=Yes, Socket=No, Status=None
J16: library part 3M_N2530-6002RB, "Connector 30 Male", Manufacturer=3M, Manufacturer Part Number=N2530-6002RB, Author="CERN DEM JLC", ComponentHeight=10.03mm, Component Type=Standard, CreateDate=11.02.2009, Family="Header 30", HelpURL=\\cern.ch\dfs\Applications\Altium\Datasheets\3M_N2530-6002RB.pdf, LatestRevisionDate=11.08.2009, Mounted=Yes, Part Description="30 Contacts - Straight .100'' x .100'' Low Profile Four-Wall Header, 2500 Series", Part Number=3M_N2530-6002RB, Pin Count=30, PressFit=No, Sense=No, SMD=No, Socket=No, Status=None
R1 R2 R3 R4 R5 R6 R7 R8 R9 R10: library part R0402_49R9_1%_0.0625W_100PPM, "Resistor - 1%", Case=0402, Manufacturer=GENERIC, Manufacturer1 ComponentHeight=0.4mm, Manufacturer1 Example="YAGEO PHYCOMP", Manufacturer1 Part Number="232270674999L or RC0402FR-0749R9L", Power=0.0625W, Tolerance=±1%, Author="CERN DEM JLC", Component Type=Standard, CreateDate=24.10.2012, HelpURL=\\cern.ch\dfs\Applications\Altium\Datasheets\R0402_Phycomp_RC0402.pdf, LatestRevisionDate=24.10.2012, Manufacturer Part Number=R0402_49R9_1%_0.0625W_100PPM, Mounted=Yes, Part Description="General Purpose Thick Film Chip Resistor", Part Number=R0402_49R9_1%_0.0625W_100PPM, Pin Count=2, PressFit=No, Sense=No, SMD=Yes, Socket=No, Status="Not Recommended", TC=±100ppm/°C
TP1 TP2 TP3 TP4 TP5: library part SMD_PAD_1.27X1.27MM, Author="CERN DEM JLC", ComponentHeight=0mm, Component Type="Standard (No BOM)", CreateDate=12.01.2008, Family="Test Point", HelpURL=Undefined, LatestRevisionDate=12.01.2008, Mounted=No, PackageDescription="1.27mm x 1.27mm PCB Copper Area (SMD Test Point)", Part Description="1.27mm x 1.27mm PCB Copper Area (SMD Test Point)", Part Number=SMD_PAD_1.27X1.27MM, Pin Count=1, Sense=No, SMD=Yes, Socket=No, Status=None
TR1 TR2 TR3 TR4 TR5 TR6 TR7 TR8 TR9 TR10 TR11: library part XFMR_MINI-CIRCUITS_TCM2-43X+, "50 OHMS 10 to 4000 MHz RF Transformer", Manufacturer=MINI-CIRCUITS, Manufacturer Part Number=TCM2-43X+, Power=0.4W, Author="CERN DEM BC", ComponentHeight=4.06mm, Component Type=Standard, CreateDate=12.02.2016, HelpURL=\\cern.ch\dfs\Applications\Altium\Datasheets\XFMR_MINI-CIRCUITS_TCM2-43X+.pdf, LatestRevisionDate=12.02.2016, Mounted=Yes, Part Description="50 Ohms 10 to 4000MHz RF Transformer", Part Number=XFMR_MINI-CIRCUITS_TCM2-43X+, Pin Count=6, Sense=No, SMD=Yes, Socket=No, Status=None

## Via types
v1: diameter 15.75, hole 7.87, Top Layer to Bottom Layer, tented both sides, 338 vias
v2: diameter 19.68, hole 7.87, Top Layer to Bottom Layer, tented both sides, 96 vias
v3: diameter 23.62, hole 15.75, Top Layer to Bottom Layer, tented both sides, 10 vias
v4: diameter 15.75, hole 10, Top Layer to Bottom Layer, tented both sides, 3 vias
v5: diameter 15.75, hole 7.87, Top Layer to Bottom Layer, 2 vias
v6: diameter 50, hole 28, Top Layer to Bottom Layer, tented both sides, 2 vias

## Nets (pads, with @x,y where several pads share a name; then routed paths per layer and width w, separated by ;. In a path a pad name is that pad's centre, name@x,y a point inside that pad or via, vN(x,y) a via of type N, cw(c..) or ccw(c..) an arc to the next point about the centre after c; other vN are vias at no path point)
ADC0: J7.1 TR1.3 | length 190.4
  Bottom Layer w25.43: J7.1@-530.56,115.16 -530.56,187.01 -501.56,216 TR1.3@-424,216
ADC0_IN_N: C2.1 J6.c2 TR1.4 | length 543.7
  Bottom Layer w14: TR1.4@-295.4,217 -256.38,217 -222.52,217 -187.01,252.51 -187.01,259.2 -155.65,290.56 179.14,290.56 J6.c2@203.74,315.16
ADC0_IN_P: C1.1 J6.c3 TR1.6 | length 555.9
  Bottom Layer w14: TR1.6@-295.4,317 -251.61,317 -222,317 -195.54,290.54 -182.54,290.54 -170.86,302.22 -170.86,327.03 -156.89,341 -156.45,340.56 176.1,340.56 200.7,365.16 J6.c3@203.74,365.16
ADC1: J8.1 TR2.3 | length 140.9
  Bottom Layer w25.43: J8.1@-531.49,545 TR2.3@-390.6,545
ADC1_IN_N: C4.1 J6.d8 TR2.4 | length 482.6
  Top Layer w14: v1(-181.76,587) -175.24,587 -172.24,590 -158.68,590 -144.87,603.81 -144.87,605.23 -133.23,616.87 -131.81,616.87 -121.68,627 134.58,627 v1(135.58,626)
  Bottom Layer w14: TR2.4@-282.4,544.82 C4.1@-225,544.82 ; C4.1@-225,542.53 -223.96,542.53 -208.59,557.89 -206.64,557.89 -199.61,564.92 -199.61,566.87 -179.48,587 v1(-181.76,587) ; v1(135.58,626) 139,626 149.84,615.16 J6.d8@153.74,615.16
ADC1_IN_P: C3.1 J6.d9 TR2.6 | length 470.7
  Top Layer w14: v1(-182,616) -170.87,616 -144,642.87 -142.58,642.87 -132.45,653 131,653 v1(132,654)
  Bottom Layer w14: TR2.6@-282.4,644.82 -209.82,644.82 -182,617 v1(-182,616) ; v1(132,654) 134.58,654 136.58,652 140.58,652 J6.d9@153.74,665.16
ADC2: J9.1 TR3.3 | length 125.4
  Bottom Layer w25.43: J9.1@-530,866.14 TR3.3@-407.61,866.14 ; TR3.3@-407.61,867.11 TR3.3@-405.47,864.97
ADC2_IN_N: C6.1 J6.c14 TR3.4 | length 505
  Bottom Layer w14: TR3.4@-280.27,864.97 -211.03,864.97 -185.44,890.56 -151,890.56 -150.79,890.35 178.93,890.35 J6.c14@203.74,915.16
ADC2_IN_P: C5.1 J6.c15 TR3.6 | length 504.3
  Bottom Layer w14: TR3.6@-280.27,964.97 -210.01,964.97 -185.61,940.56 179.14,940.56 J6.c15@203.74,965.16
ADC3: J15.1 TR4.3 | length 105.3
  Bottom Layer w25.43: J15.1@-502.85,1200.79 -453,1200.79
  Bottom Layer w25.44: -453,1200.79 -436.21,1184 -415,1184 TR4.3@-404.47,1184
ADC3_IN_N: C8.1 J6.d20 TR4.4 | length 446
  Bottom Layer w14: TR4.4@-279.4,1182 TR4.4@-279.27,1182 ; TR4.4@-279.27,1184 -190.76,1184 -184.2,1190.56 129.14,1190.56 J6.d20@153.74,1215.16
ADC3_IN_P: C7.1 J6.d21 TR4.6 | length 461.8
  Bottom Layer w14: TR4.6@-279.4,1282 TR4.6@-279.27,1282 ; TR4.6@-279.27,1284 -204.27,1284 -160.24,1239.96 128.54,1239.96 J6.d21@153.74,1265.16
CAL_ADC_CH1: J6.g32
CAL_ADC_CH2: J6.h32
CAL_ADC_CH3: J6.j32
CAL_ADC_CH4: J6.f31
CAL_ADC_CH5: J6.g31
CAL_ADC_CH6: J6.h31
CAL_ADC_CH7: J6.j31
DAC0: J2.1 TR5.3 | length 316.9
  Bottom Layer w25.43: J2.1@-994.09,135.9 -850.72,135.9 -814.88,171.74 -814.88,260.71 TR5.3@-790.95,284.65
DAC0_OUT_N: C10.1 J6.h5 TR5.4 | length 708.8
  Bottom Layer w14: TR5.4@-665.75,284.65 -583.35,284.65 -546.32,321.68 -506.19,321.68 -375.32,452.56 -168.45,452.56 -156.45,440.56 -71.07,440.56 -54.32,457.31 -54.32,465.16 J6.h5@-46.26,465.16
DAC0_OUT_P: C9.1 J6.h6 TR5.6 | length 705.1
  Bottom Layer w14: TR5.6@-665.75,384.65 -586.57,384.65 -548.93,347 -520.95,347 -389.39,478.56 -167.65,478.56 -156.45,489.76 -136.88,489.76 -135.63,491 -106.89,491 -106.45,490.56 -83.03,490.56 -82.43,491.16 -70.26,491.16 J6.h6@-46.26,515.16
DAC1: J3.1 TR6.3 | length 245.8
  Bottom Layer w25.43: J3.1@-994.09,569.6 -887.09,569.6 -807.87,648.82 TR6.3@-781.1,648.82
DAC1_OUT_N: C12.1 J6.g11 TR6.4 | length 716.5
  Bottom Layer w14: TR6.4@-655.91,648.82 -588,648.82 -551,685.82 -524.41,685.82 -491.55,718.67 -305.6,718.67 -273.27,751 -166.89,751 -156.45,740.56 -20.86,740.56 J6.g11@3.74,765.16
DAC1_OUT_P: C11.1 J6.g12 TR6.6 | length 718
  Bottom Layer w14: TR6.6@-655.91,748.82 -583.63,748.82 -547,712.18 -547,711.82 -535.18,711.82 -502.32,744.67 -316.37,744.67 -284.04,777 -169.21,777 -156.21,790 -21.42,790 J6.g12@3.74,815.16
DAC2: J4.1 TR7.3 | length 212
  Bottom Layer w25.43: J4.1@-994.09,1003.3 -989.63,998.84 TR7.3@-783.98,998.84
DAC2_OUT_N: C14.1 J6.h17 TR7.4 | length 647.3
  Bottom Layer w14: TR7.4@-658.78,998.84 -586.15,998.84 -549.15,1035.84 -376.25,1035.84 -363.25,1048.84 -164.73,1048.84 -155.89,1040 -71.42,1040 J6.h17@-46.26,1065.16
DAC2_OUT_P: C13.1 J6.h18 TR7.6 | length 649.9
  Bottom Layer w14: TR7.6@-658.78,1098.84 -585.93,1098.84 -548.93,1061.84 -387.02,1061.84 -374.02,1074.84 -171.37,1074.84 -156.21,1090 -71.42,1090 J6.h18@-46.26,1115.16
DAC3: J5.1 TR8.3 | length 220
  Bottom Layer w25.43: J5.1@-994.09,1437.01 -872.51,1437.01 -849.5,1414 TR8.3@-783.6,1414
DAC3_OUT_N: C16.1 J6.g23 TR8.4 | length 734
  Bottom Layer w14: TR8.4@-658.4,1414 -579.69,1414 -542.69,1451 -378,1451 -307,1380 -307,1379 -281.17,1353.17 -169.06,1353.17 -156.45,1340.56 -20.86,1340.56 J6.g23@3.74,1365.16
DAC3_OUT_P: C15.1 J6.g24 TR8.6 | length 733.5
  Bottom Layer w14: TR8.6@-658.4,1514 -577,1514 -540,1477 -367.23,1477 -281,1390.77 -281,1389.77 -270.4,1379.17 -167.04,1379.17 -155.86,1390.35 -21.07,1390.35 J6.g24@3.74,1415.16